# Altium PCB CL-AHU-V1.1.pcbdoc (part 5 of 5)
Units mil, origin at the board's own origin, x right, y up, seen from the top; angles counter-clockwise.
Board outline 12846.15 x 9153.85 mil, 2 copper layers (TopLayer, BottomLayer); 143 components, 181 nets, 607 pads, 3157 vias.
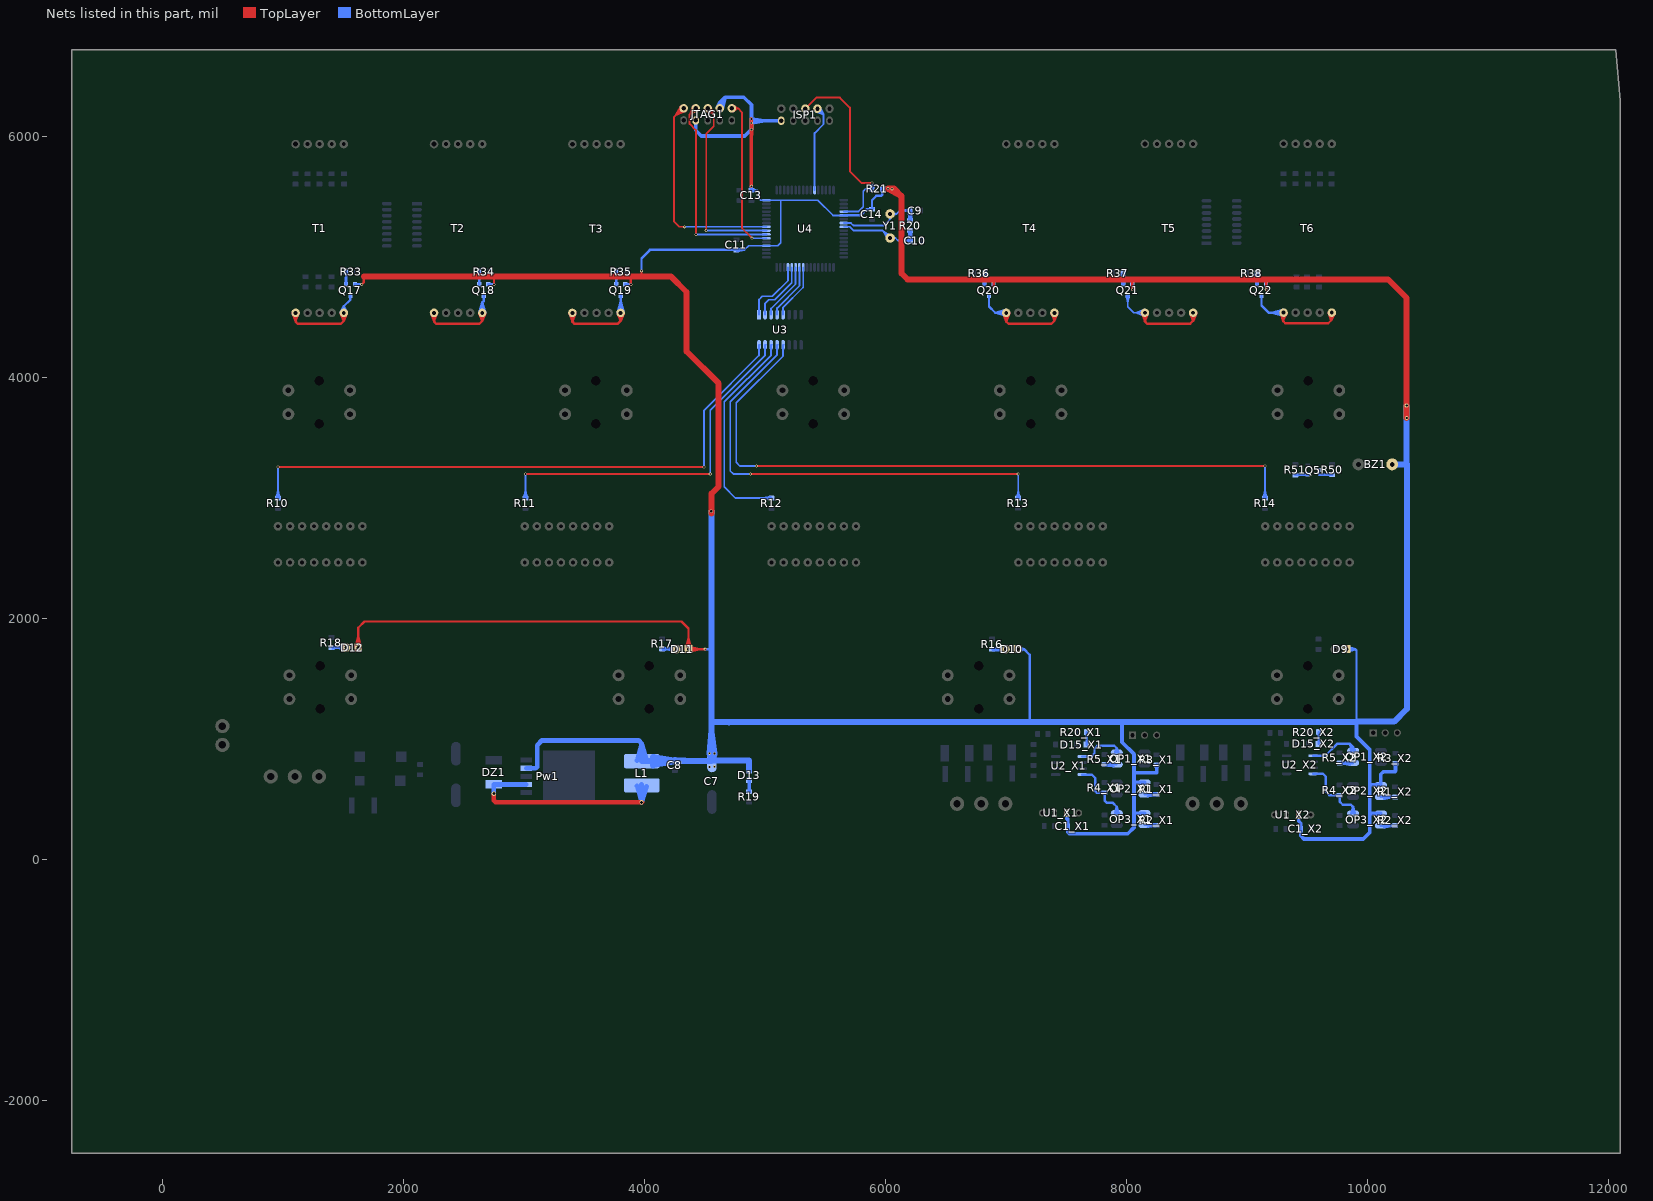
[diagram p5: the nets of this part, all layers, seen from the top]

## Via types
v1: diameter 33/33 (per signal layer), hole 23, TopLayer to BottomLayer, tented both sides, 2996 vias
v2: diameter 25, hole 15, TopLayer to BottomLayer, tented both sides, 138 vias
v3: diameter 24, hole 15, TopLayer to BottomLayer, tented both sides, 16 vias
v4: diameter 35, hole 20, TopLayer to BottomLayer, tented both sides, 3 vias
v5: diameter 30, hole 20, TopLayer to BottomLayer, tented both sides, 2 vias
v6: diameter 35, hole 25, TopLayer to BottomLayer, tented both sides, 2 vias

## Nets (pads, with @x,y where several pads share a name; then routed paths per layer and width w, separated by ;. In a path a pad name is that pad's centre, name@x,y a point inside that pad or via, vN(x,y) a via of type N, cw(c..) or ccw(c..) an arc to the next point about the centre after c; other vN are vias at no path point) (continued)
NetD10_2: D10.2 R16.2 | length 2102
  BottomLayer w15: R16.2@6884.3,1745.95 6995.56,1745.95 D10.2@6995.67,1746.06 6915.23,1745.95 ; R16.2@6887.7,1733.55 6956.51,1730.99 ; R16.2@6887.68,1758.35 6956.53,1761.05 ; R16.2@6889.27,1733.45 6955.01,1739.55 ; R16.2@6889.25,1758.45 6955.03,1752.47 ; R16.2@6891.71,1733.69 6955.03,1752.47 ; R16.2@6891.69,1758.22 6955.01,1739.55 ; R16.2@6893.11,1757.86 6956.51,1730.99 ; R16.2@6893.13,1734.05 6956.53,1761.05 ; D10.2@6990.78,1773.57 6915.23,1745.95 ; D10.2@6990.86,1718.55 6915.23,1745.95 ; D10.2@6994.61,1758.95 6915.23,1745.95 ; D10.2@6994.65,1733.17 6915.23,1745.95 ; R16.2@6889.3,1745.95 6915.23,1745.95 ; R16.2@6889.3,1745.95 6954.3,1746.01 ; R16.2@6889.3,1745.95 6915.23,1745.95 ; R16.2@6889.3,1745.95 6955.03,1752.47 ; R16.2@6889.3,1745.95 6915.23,1745.95 ; R16.2@6889.3,1745.95 6955.01,1739.55 ; R16.2@6889.3,1745.95 6915.23,1745.95 ; R16.2@6889.3,1745.95 6956.53,1761.05 ; R16.2@6889.3,1745.95 6915.23,1745.95 ; R16.2@6889.3,1745.95 6956.51,1730.99 ; R16.2@6889.3,1745.95 6954.3,1745.95 ; R16.2@6892.31,1733.82 6915.23,1745.95 ; R16.2@6892.31,1733.82 6915.23,1745.95 ; R16.2@6892.31,1733.82 6915.23,1745.95 ; R16.2@6892.31,1733.82 6915.23,1745.95 ; R16.2@6892.31,1733.82 6915.23,1745.95 ; R16.2@6892.31,1758.08 6915.23,1745.95 ; R16.2@6892.31,1758.08 6915.23,1745.95 ; R16.2@6892.31,1758.08 6915.23,1745.95 ; R16.2@6892.31,1758.08 6915.23,1745.95 ; R16.2@6892.31,1758.08 6915.23,1745.95 ; 6954.3,1745.95 6890.5,1733.51 6954.3,1746.01 ; 6954.3,1745.95 6890.5,1758.39 6954.3,1746.01
NetD11_2: D11.2 R17.2 | length 715.6
  BottomLayer w15: R17.2@4147.3,1746.86 4264.55,1746.86 D11.2@4265.35,1746.06 4184.92,1746.86 ; R17.2@4152.3,1746.86 4217.3,1746.86 ; R17.2@4153.5,1734.42 4217.3,1746.86 ; R17.2@4153.5,1759.31 4217.3,1746.86 ; D11.2@4260.23,1718.6 4184.92,1746.86 ; D11.2@4260.78,1773.62 4184.92,1746.86 ; D11.2@4264.19,1733.18 4184.92,1746.86 ; D11.2@4264.44,1758.96 4184.92,1746.86
NetD12_2: D12.2 R18.2 | length 637.3
  BottomLayer w15: R18.2@1406.23,1759.64 D12.2@1526.56,1759.64 ; R18.2@1409.38,1757.79 1474.42,1759.64 ; R18.2@1410.22,1770.26 1474.42,1759.64 ; R18.2@1410.93,1745.38 1474.42,1759.64 ; D12.2@1521.7,1732.13 1446.12,1759.64 ; D12.2@1521.7,1787.15 1446.12,1759.64 ; D12.2@1525.52,1746.75 1446.12,1759.64 ; D12.2@1525.52,1772.53 1446.12,1759.64
NetD13_2: D13.2 R19.2 | length 195.3
  BottomLayer w30: D13.2@4868.26,661.12 R19.2@4868.92,563.47 D13.2@4868.92,661.12
NetD15_X1_2: D15_X1.2 R20_X1.2 | length 102.6
  BottomLayer w20: D15_X1.2@7667.37,954.89 R20_X1.2@7667.37,1057.46
NetD15_X2_2: D15_X2.2 R20_X2.2 | length 96.9
  BottomLayer w20: D15_X2.2@9592.49,960.75 R20_X2.2@9592.49,1057.61
NetDZ1_K: DZ1.K L1.1 Pw1.2 | length 2723.8
  TopLayer w40: v6(2750.38,547.13) 2750.38,491.22 2766,475.6 v6@3980.66,475.6 ; 3839.35,475.6 v6(3976.85,475.6)
  BottomLayer w40: v6(2750.38,547.13) DZ1.K@2750.37,624.64 ; v6(2750.38,547.13) DZ1.K@2750.37,624.64 ; DZ1.K@2782.3,624.64 2937.3,624.64 ; 2850.38,624.64 Pw1.2@2991.44,624.25 ; Pw1.2@3019.2,624.64 DZ1.K@2750.37,624.64 ; L1.1@3939.4,610.33 v6(3976.85,475.6) ; L1.1@3976.85,623 v6(3976.85,475.6) ; L1.1@3978.12,615.43 v6(3976.85,475.6) ; L1.1@3999.09,581.7 L1.1@4003.88,586.49 ; L1.1@4016.74,609.63 v6(3976.85,475.6)
NetOP1_X1_1: OP1_X1.1 R5_X1.1 | length 1137.1
  BottomLayer w15: R5_X1.1@7817.55,788.61 OP1_X1.1@7917.93,788.61 ; R5_X1.1@7822.55,788.61 OP1_X1.1@7887.55,788.61 ; OP1_X1.1@7887.71,771.9 R5_X1.1@7823.75,801.05 ; OP1_X1.1@7887.71,805.31 R5_X1.1@7823.75,776.16 ; OP1_X1.1@7893.86,771.13 R5_X1.1@7823.75,776.16 ; OP1_X1.1@7893.86,806.08 R5_X1.1@7823.75,801.05 ; R5_X1.1@7822.93,788.61 OP1_X1.1@7892.93,788.61 ; R5_X1.1@7822.93,788.61 7890.74,805.97 R5_X1.1@7822.93,788.61 ; R5_X1.1@7822.93,788.61 7890.74,771.24 R5_X1.1@7822.93,788.61 ; R5_X1.1@7822.93,788.61 OP1_X1.1@7892.93,788.61 ; R5_X1.1@7823.75,776.16 OP1_X1.1@7892.93,788.61 ; R5_X1.1@7823.75,776.16 OP1_X1.1@7887.55,788.61 ; R5_X1.1@7823.75,801.05 OP1_X1.1@7892.93,788.61 ; R5_X1.1@7823.75,801.05 OP1_X1.1@7887.55,788.61
NetOP1_X1_2: OP1_X1.2 U2_X1.1 | length 515.2
  BottomLayer w20: U2_X1.1@7630.52,855.8 7707.9,855.8 ; U2_X1.1@7658.52,855.8 7707.9,855.8 ; OP1_X1.2@7903.26,891.71 7917.93,924.85 ; OP1_X1.2@7917.93,888.61 7917.93,924.85 ; OP1_X1.2@7932.61,891.71 7917.93,924.85 ; 7707.9,855.8 7733.2,881.1 7733.2,922.52 7755.86,945.18 7897.6,945.18 7917.93,924.85
NetOP1_X2_1: OP1_X2.1 R5_X2.1 | length 689.6
  BottomLayer w20: R5_X2.1@9766.91,801.12 OP1_X2.1@9877,801.12 ; OP1_X2.1@9851.76,817.42 R5_X2.1@9771.91,801.12 ; OP1_X2.1@9851.83,817.43 R5_X2.1@9768.39,801.12 ; OP1_X2.1@9851.91,801.12 R5_X2.1@9771.91,801.12 ; OP1_X2.1@9852.27,787.55 R5_X2.1@9771.91,801.12 ; OP1_X2.1@9852.31,787.55 R5_X2.1@9768.39,801.12 ; R5_X2.1@9768.39,801.12 9853.39,802.51 R5_X2.1@9771.91,801.12
NetOP1_X2_2: OP1_X2.2 U2_X2.1 | length 834.8
  BottomLayer w20: U2_X2.1@9546.52,862.18 9646.76,862.18 9744.61,960.02 9852.66,960.02 ; U2_X2.1@9574.52,862.18 9646.52,862.18 ; OP1_X2.2@9864.07,898.06 9852.66,960.02 ; OP1_X2.2@9891.26,910.22 9852.66,960.02 ; 9852.66,960.02 OP1_X2.2@9878.39,902.51 ; 9852.66,960.02 9878.39,934.29 ; OP1_X2.2@9878.39,902.51 9878.39,934.29 ; OP1_X2.2@9878.39,902.51 9878.39,934.29 ; 9878.39,934.29 9892.97,906.05 9878.39,934.29 ; 9878.39,934.29 9863.82,906.05 9878.39,934.29
NetOP2_X1_2: OP2_X1.2 R1_X1.1 | length 1137.1
  BottomLayer w15: OP2_X1.2@8147.93,539.81 R1_X1.1@8248.31,539.81 ; OP2_X1.2@8172,522.33 R1_X1.1@8242.11,527.37 ; OP2_X1.2@8172,557.28 R1_X1.1@8242.11,552.25 ; OP2_X1.2@8178.15,523.1 R1_X1.1@8242.11,552.25 ; OP2_X1.2@8178.15,556.51 R1_X1.1@8242.11,527.37 ; R1_X1.1@8243.31,539.81 OP2_X1.2@8178.31,539.81 ; OP2_X1.2@8172.93,539.81 R1_X1.1@8242.93,539.81 ; OP2_X1.2@8172.93,539.81 R1_X1.1@8242.11,552.25 ; OP2_X1.2@8172.93,539.81 R1_X1.1@8242.11,527.37 ; OP2_X1.2@8172.93,539.81 R1_X1.1@8242.93,539.81 ; OP2_X1.2@8178.31,539.81 R1_X1.1@8242.11,552.25 ; OP2_X1.2@8178.31,539.81 R1_X1.1@8242.11,527.37 ; R1_X1.1@8242.93,539.81 8175.12,522.44 R1_X1.1@8242.93,539.81 ; R1_X1.1@8242.93,539.81 8175.12,557.17 R1_X1.1@8242.93,539.81
NetOP2_X2_2: OP2_X2.2 R1_X2.1 | length 694
  BottomLayer w20: OP2_X2.2@10108.39,519.91 R1_X2.1@10226.55,519.91 ; OP2_X2.2@10133.39,519.91 R1_X2.1@10218.39,519.91 ; OP2_X2.2@10134.72,504.97 R1_X2.1@10218.39,519.91 ; OP2_X2.2@10134.72,534.85 R1_X2.1@10218.39,519.91 ; OP2_X2.2@10142.55,506.36 R1_X2.1@10221.91,519.54 ; OP2_X2.2@10142.68,533.43 R1_X2.1@10221.91,519.54 ; R1_X2.1@10221.91,519.54 10141.9,519.91 R1_X2.1@10221.91,519.54
NetOP3_X1_2: OP3_X1.2 R2_X1.1 | length 1137.1
  BottomLayer w15: OP3_X1.2@8147.93,285.9 R2_X1.1@8248.31,285.9 ; OP3_X1.2@8172,268.42 R2_X1.1@8242.11,273.45 ; OP3_X1.2@8172,303.37 R2_X1.1@8242.11,298.34 ; OP3_X1.2@8178.15,269.19 R2_X1.1@8242.11,298.34 ; OP3_X1.2@8178.15,302.6 R2_X1.1@8242.11,273.45 ; R2_X1.1@8243.31,285.9 OP3_X1.2@8178.31,285.9 ; OP3_X1.2@8172.93,285.9 R2_X1.1@8242.11,273.45 ; OP3_X1.2@8172.93,285.9 R2_X1.1@8242.93,285.9 ; OP3_X1.2@8172.93,285.9 R2_X1.1@8242.11,298.34 ; OP3_X1.2@8172.93,285.9 R2_X1.1@8242.93,285.9 ; OP3_X1.2@8178.31,285.9 R2_X1.1@8242.11,298.34 ; OP3_X1.2@8178.31,285.9 R2_X1.1@8242.11,273.45 ; R2_X1.1@8242.93,285.9 8175.12,268.53 R2_X1.1@8242.93,285.9 ; R2_X1.1@8242.93,285.9 8175.12,303.26 R2_X1.1@8242.93,285.9
NetOP3_X1_4: OP3_X1.4 R4_X1.2 U2_X1.4 | length 832.5
  BottomLayer w20: U2_X1.4@7630.52,705.8 7709.84,705.8 ; U2_X1.4@7658.52,705.8 7709.84,705.8 ; R4_X1.2@7812.55,554.81 7753.4,554.81 ; OP3_X1.4@7903.08,388 7917.93,439.46 ; OP3_X1.4@7917.93,385.9 7917.93,439.46 ; OP3_X1.4@7932.78,388 7917.93,439.46 ; 7709.84,705.8 7739.68,675.95 7739.68,568.52 7753.4,554.81 ; 7753.4,554.81 R4_X1.2@7817.55,554.81 ; 7817.55,491.3 R4_X1.2@7817.55,554.81 ; 7817.55,491.3 7838.05,470.81 7886.58,470.81 7917.93,439.46 ; 7817.55,491.3 R4_X1.2@7817.55,554.81
NetOP3_X2_2: OP3_X2.2 R2_X2.1 | length 695.1
  BottomLayer w20: OP3_X2.2@10108.39,282.59 R2_X2.1@10227.57,282.58 ; OP3_X2.2@10133.39,282.59 R2_X2.1@10218.39,282.59 ; OP3_X2.2@10134.72,267.65 R2_X2.1@10218.39,282.59 ; OP3_X2.2@10134.72,297.53 R2_X2.1@10218.39,282.59 ; OP3_X2.2@10143.26,269.17 R2_X2.1@10222.57,282.58 ; OP3_X2.2@10143.26,296 R2_X2.1@10222.57,282.58 ; R2_X2.1@10222.57,282.58 10142.57,282.59 R2_X2.1@10222.57,282.58
NetOP3_X2_4: OP3_X2.4 R4_X2.2 U2_X2.4 | length 900.4
  BottomLayer w20: U2_X2.4@9546.52,712.18 9628.64,712.18 ; U2_X2.4@9574.52,712.18 9628.64,712.18 ; R4_X2.2@9761.55,534.22 9681.84,534.22 ; OP3_X2.4@9863.53,384.64 9878.39,437.33 ; OP3_X2.4@9878.39,382.59 9878.39,437.33 ; OP3_X2.4@9893.25,384.64 9878.39,437.33 ; 9628.64,712.18 9652.62,688.2 9652.62,563.44 9681.84,534.22 ; 9681.84,534.22 R4_X2.2@9766.55,534.22 ; 9766.55,481.57 R4_X2.2@9766.55,534.22 ; 9766.55,481.57 9792.69,455.43 9860.29,455.43 9878.39,437.33 ; 9766.55,481.57 R4_X2.2@9766.55,534.22
NetQ5_1: Q5.1 R50.1 | length 224.9
  BottomLayer w20: Q5.1@9595.55,3231.7 9595.55,3197.2 9599.05,3193.7 R50.1@9704.55,3193.7 ; 9619.55,3193.7 R50.1@9699.55,3193.7
NetQ5_2: Q5.2 R51.2 | length 360.5
  BottomLayer w20: R51.2@9398.55,3191.7 Q5.2@9500.43,3191.7 ; 9483.55,3191.7 R51.2@9403.55,3191.7 ; 9483.56,3193.68 R51.2@9403.55,3191.7 ; Q5.2@9502.05,3194.3 9424.19,3191.7 R51.2@9403.55,3191.7
NetQ17_1: Q17.1 T1.1 T1.5 | length 1141.6
  TopLayer w20: T1.1@1081.26,4530.98 1106.3,4462.82 ; T1.1@1106.3,4535.43 1106.3,4462.82 ; T1.1@1131.34,4530.98 1106.3,4462.82 ; T1.5@1481.34,4530.53 1506.3,4469.51 ; T1.5@1506.3,4535.43 1506.3,4469.51 ; T1.5@1531.25,4530.53 1506.3,4469.51 ; 1106.3,4462.82 1124.77,4444.35 1481.14,4444.35 1506.3,4469.51
  BottomLayer w20: T1.5@1481.57,4541.37 1506.3,4589.88 ; T1.5@1506.3,4535.43 1506.3,4589.88 ; T1.5@1531.03,4541.37 1506.3,4589.88 ; Q17.1@1561.13,4677.73 1561.13,4644.72 ; Q17.1@1561.13,4678.72 1561.13,4644.72 ; 1506.3,4589.88 1561.13,4644.72
NetQ17_2: Q17.2 R33.1 | length 367.8
  BottomLayer w20: Q17.2@1523.73,4772.22 1525.06,4849.97 R33.1@1525.06,4873.13 ; 1524.09,4793.12 R33.1@1525.06,4873.13 ; Q17.2@1525.06,4771.24 R33.1@1525.06,4878.13 ; 1525.06,4793.13 R33.1@1525.06,4873.13
NetQ18_1: Q18.1 T2.1 T2.5 | length 1258.8
  TopLayer w20: T2.1@2229.68,4530.98 2254.72,4462.82 ; T2.1@2254.72,4535.43 2254.72,4462.82 ; T2.1@2279.76,4530.98 2254.72,4462.82 ; T2.5@2629.77,4530.53 2654.72,4469.51 ; T2.5@2654.72,4535.43 2654.72,4469.51 ; T2.5@2679.68,4530.53 2654.72,4469.51 ; 2254.72,4462.82 2273.2,4444.35 2629.57,4444.35 2654.72,4469.51
  BottomLayer w20: T2.5@2629.57,4539.16 2654.72,4622.21 ; T2.5@2654.72,4535.43 2654.72,4622.21 ; Q18.1@2667.9,4677.73 2667.9,4635.38 ; Q18.1@2667.9,4679.7 2667.9,4709.47 2667.9,4635.38 ; T2.5@2679.88,4539.16 2654.72,4622.21 ; 2654.72,4622.21 2667.9,4635.38
NetQ18_2: Q18.2 R34.1 | length 367.8
  BottomLayer w20: Q18.2@2629.94,4771.24 R34.1@2629.94,4878.14 ; 2629.94,4793.14 R34.1@2629.94,4873.14 ; 2630.35,4793.14 R34.1@2629.94,4873.14 ; Q18.2@2630.5,4772.22 2629.94,4849.95 R34.1@2629.94,4873.14
NetQ19_1: Q19.1 T3.1 T3.5 | length 1256.6
  TopLayer w20: T3.1@3377.72,4530.66 3402.76,4462.51 ; T3.1@3402.76,4535.12 3402.76,4462.51 ; T3.1@3427.8,4530.66 3402.76,4462.51 ; T3.5@3777.8,4530.21 3802.76,4469.2 ; T3.5@3802.76,4535.12 3802.76,4469.2 ; T3.5@3827.71,4530.21 3802.76,4469.2 ; 3402.76,4462.51 3421.23,4444.04 3777.6,4444.04 3802.76,4469.2
  BottomLayer w20: T3.5@3777.55,4538.51 3802.76,4630.55 T3.5@3827.96,4538.51 ; T3.5@3802.76,4535.12 Q19.1@3802.76,4689.39 ; 3802.76,4599.99 Q19.1@3804.32,4677.73
NetQ19_2: Q19.2 R35.1 | length 355.4
  BottomLayer w20: Q19.2@3766.92,4772.22 3766.92,4849.94 R35.1@3767.05,4873.13 ; Q19.2@3766.92,4783.48 R35.1@3766.92,4878 ; R35.1@3767.05,4873.13 3766.92,4793.13 R35.1@3767.05,4873.13
NetQ20_1: Q20.1 T4.1 T4.5 | length 1341.1
  TopLayer w20: T4.1@6976.22,4531.45 7001.26,4463.3 ; T4.1@7001.26,4535.91 7001.26,4463.3 ; T4.1@7026.3,4531.45 7001.26,4463.3 ; T4.5@7376.3,4531 7401.26,4469.98 ; T4.5@7401.26,4535.91 7401.26,4469.98 ; T4.5@7426.22,4531 7401.26,4469.98 ; 7001.26,4463.3 7019.73,4444.83 7376.1,4444.83 7401.26,4469.98
  BottomLayer w20: 6857.9,4600.02 Q20.1@6857.9,4677.73 ; Q20.1@6857.9,4671.7 6857.9,4588.56 6910.55,4535.91 ; T4.1@6997.69,4510.72 6910.55,4535.91 ; T4.1@6997.69,4561.09 6910.55,4535.91 ; T4.1@7001.26,4535.91 6910.55,4535.91
NetQ20_2: Q20.2 R36.1 | length 1301.6
  BottomLayer w15: R36.1@6808.23,4859.52 6813.81,4793.88 ; R36.1@6808.46,4856.97 6827.32,4793.92 ; Q20.2@6810.32,4773.09 6820.72,4834.94 ; Q20.2@6820.49,4772.22 6820.72,4834.94 ; Q20.2@6820.72,4756.16 R36.1@6820.72,4864.4 ; Q20.2@6830.68,4773.02 6820.72,4834.94 ; R36.1@6832.98,4856.91 6813.81,4793.88 ; R36.1@6833.16,4858.17 6820.58,4794.4 ; R36.1@6833.17,4858.2 6820.72,4794.4 ; R36.1@6833.22,4859.46 6827.32,4793.92 ; R36.1@6808.64,4856.2 6820.72,4834.94 ; R36.1@6808.64,4856.2 6820.72,4834.94 ; R36.1@6808.64,4856.2 6820.72,4834.94 ; 6813.81,4793.88 R36.1@6820.72,4859.4 ; 6820.58,4794.4 R36.1@6820.72,4859.4 ; 6820.58,4794.4 6808.28,4858.22 6820.72,4794.4 ; 6820.72,4794.4 R36.1@6820.72,4859.4 ; 6820.72,4834.94 R36.1@6820.72,4859.4 ; 6820.72,4834.94 R36.1@6832.81,4856.2 ; 6820.72,4834.94 R36.1@6820.72,4859.4 ; 6820.72,4834.94 R36.1@6832.81,4856.2 ; 6820.72,4834.94 R36.1@6820.72,4859.4 ; 6820.72,4834.94 R36.1@6832.81,4856.2 ; R36.1@6820.72,4859.4 6827.32,4793.92
NetQ21_1: Q21.1 T5.1 T5.5 | length 1599.2
  TopLayer w20: T5.1@8126.53,4532.16 8151.57,4464 ; T5.1@8151.57,4536.61 8151.57,4464 ; T5.1@8176.61,4532.16 8151.57,4464 ; T5.5@8526.62,4531.71 8551.57,4470.69 ; T5.5@8551.57,4536.61 8551.57,4470.69 ; T5.5@8576.53,4531.71 8551.57,4470.69 ; 8151.57,4464 8170.05,4445.53 8526.42,4445.53 8551.57,4470.69
  BottomLayer w15: Q21.1@7998.6,4676.9 8008.78,4615.02 ; Q21.1@8008.78,4677.73 8008.78,4615.02 ; Q21.1@8008.78,4678.72 8008.78,4586.53 8058.7,4536.61 T5.1@8151.57,4536.61 ; Q21.1@8018.97,4676.9 8008.78,4615.02 ; T5.1@8146.72,4509.11 8071.14,4536.61 ; T5.1@8146.72,4564.12 8071.14,4536.61 ; T5.1@8150.54,4523.72 8071.14,4536.61 ; T5.1@8150.54,4549.51 8071.14,4536.61
NetQ21_2: Q21.2 R37.1 | length 1293.8
  BottomLayer w15: R37.1@7957.74,4859.3 7964.51,4793.19 ; R37.1@7958.03,4856.73 7978.07,4794.32 ; Q21.2@7961.2,4773.06 7971.38,4834.94 ; Q21.2@7971.38,4771.24 R37.1@7971.38,4870.4 ; Q21.2@7971.38,4772.22 7971.38,4834.94 ; Q21.2@7981.56,4773.06 7971.38,4834.94 ; R37.1@7982.54,4857.15 7964.51,4793.19 ; R37.1@7982.74,4859.7 7978.07,4794.32 ; R37.1@7958.32,4855.65 7971.38,4834.94 ; R37.1@7958.32,4855.65 7971.38,4834.94 ; R37.1@7958.32,4855.65 7971.38,4834.94 ; 7964.51,4793.19 R37.1@7970.24,4859.4 ; R37.1@7970.24,4859.4 7971.38,4794.38 ; R37.1@7970.24,4859.4 7971.38,4834.94 ; R37.1@7970.24,4859.4 7971.38,4834.94 ; R37.1@7970.24,4859.4 7978.07,4794.32 ; R37.1@7970.24,4859.4 7971.38,4834.94 ; R37.1@7970.24,4859.4 7971.38,4794.39 ; 7971.38,4794.38 7957.82,4857.98 7971.38,4794.39 ; 7971.38,4794.38 7982.71,4858.41 7971.38,4794.39 ; 7971.38,4834.94 R37.1@7982.47,4856.77 ; 7971.38,4834.94 R37.1@7982.47,4856.77 ; 7971.38,4834.94 R37.1@7982.47,4856.77
NetQ22_1: Q22.1 T6.1 T6.5 | length 1513.1
  TopLayer w20: T6.1@9276.25,4534.37 9297.25,4467.9 ; T6.1@9297.25,4540.51 9297.25,4467.9 ; T6.1@9301.5,4537.48 9297.25,4467.9 ; T6.1@9326.17,4531.33 9297.25,4467.9 ; T6.5@9676.3,4534.04 9697.25,4474.59 ; T6.5@9697.25,4540.51 9697.25,4474.59 ; T6.5@9701.5,4537.48 9697.25,4474.59 ; T6.5@9726,4530.68 9697.25,4474.59 ; 9297.25,4467.9 9315.72,4449.43 9672.09,4449.43 9697.25,4474.59
  BottomLayer w20: 9118.15,4600.02 Q22.1@9118.15,4677.73 ; Q22.1@9118.15,4678.72 9118.15,4597.1 9177.77,4537.48 T6.1@9301.5,4537.48 ; T6.1@9298.11,4512.27 9206.06,4537.48 T6.1@9298.11,4562.69
NetQ22_2: Q22.2 R38.1 | length 1285.9
  BottomLayer w15: R38.1@9068.84,4859.57 9074.18,4793.85 ; R38.1@9068.9,4858.2 9081.34,4794.4 ; R38.1@9068.89,4858.27 9080.96,4794.4 ; R38.1@9069.07,4857.01 9087.69,4793.95 ; Q22.2@9070.57,4773.15 9081.34,4834.95 ; Q22.2@9080.75,4772.22 9081.34,4834.95 ; Q22.2@9081.34,4771.83 R38.1@9081.34,4864.4 ; Q22.2@9090.94,4772.96 9081.34,4834.95 ; R38.1@9093.58,4856.87 9074.18,4793.85 ; R38.1@9093.78,4858.12 9080.96,4794.4 ; R38.1@9093.78,4858.2 9081.34,4794.4 ; R38.1@9093.84,4859.42 9087.69,4793.95 ; R38.1@9069.26,4856.2 9081.34,4834.95 ; R38.1@9069.26,4856.2 9081.34,4834.95 ; R38.1@9069.26,4856.2 9081.34,4834.95 ; 9074.18,4793.85 R38.1@9081.34,4859.4 ; 9080.96,4794.4 R38.1@9081.34,4859.4 ; 9081.34,4794.4 R38.1@9081.34,4859.4 ; 9081.34,4834.95 R38.1@9081.34,4859.4 ; 9081.34,4834.95 R38.1@9093.43,4856.2 ; 9081.34,4834.95 R38.1@9081.34,4859.4 ; 9081.34,4834.95 R38.1@9093.43,4856.2 ; 9081.34,4834.95 R38.1@9081.34,4859.4 ; 9081.34,4834.95 R38.1@9093.43,4856.2 ; R38.1@9081.34,4859.4 9087.69,4793.95
NetR10_1: R10.1 U3.16 | length 5301.6
  TopLayer w15: v2(960.01,3256.86) v2(4493.67,3256.86)
  BottomLayer w15: R10.1@947.56,3000.09 960,3063.89 R10.1@972.44,3000.09 ; R10.1@960,2998.89 960,3256.85 960,3199.36 ; v2(4493.67,3256.86) 4495.33,3314.45 ; v2@4495.33,3254.98 4495.33,3727.74 4950.55,4182.96 U3.16@4950.55,4270.7 ; 4950.55,4185.7 U3.16@4950.55,4245.7 ; U3.16@4958.78,4270.7 U3.16@4958.78,4271.27
NetR11_1: R11.1 U3.15 | length 3318.6
  TopLayer w15: v2(3013.17,3199.88) v2(4546.07,3199.88)
  BottomLayer w15: R11.1@3000.72,3000.09 3013.17,3063.89 R11.1@3025.61,3000.09 ; R11.1@3001.25,3002.67 3013.17,3019.59 ; 3013.17,3142.38 v2(3013.17,3199.88) ; v2(3013.17,3199.88) 3013.17,3019.59 ; R11.1@3025.08,3002.67 3013.17,3019.59 ; v2(4546.07,3199.88) 4546.07,3257.38 ; v2@4546.07,3200.51 4546.07,3728.47 5000.55,4182.96 U3.15@5000.55,4270.7 ; 5000.55,4185.7 U3.15@5000.55,4245.7 ; U3.15@5008.78,4270.7 U3.15@5008.78,4271.27
NetR12_1: R12.1 U3.14 | length 1965.8
  BottomLayer w15: R12.1@5048.29,2986.45 4984.49,2998.89 ; R12.1@5048.29,3011.33 4984.49,2998.89 ; R12.1@5049.49,2998.89 4984.49,2998.89 ; U3.14@5050.55,4270.7 5050.55,4185.64 4662.44,3797.52 4662.44,3091.69 4755.23,2998.89 R12.1@5054.49,2998.89 ; U3.14@5058.78,4270.7 U3.14@5058.78,4271.27
NetR13_1: R13.1 U3.13 | length 4112.2
  TopLayer w15: v2(4878.53,3199.91) v2(7100.14,3199.92) 7042.64,3199.91
  BottomLayer w15: v2(4878.53,3199.91) 4736.39,3199.91 4712.44,3223.86 4712.44,3799.45 5100.55,4187.56 ; U3.13@5100.55,4245.7 5100.55,4187.56 ; U3.13@5100.55,4270.7 5100.55,4187.56 ; U3.13@5108.78,4270.7 U3.13@5108.78,4271.27 ; R13.1@7087.69,3000.51 7100.13,3064.31 R13.1@7112.57,3000.51 ; R13.1@7100.13,2999.31 v2@7100.13,3202.58 ; 7100.13,3142.42 v2(7100.14,3199.92)
NetR14_1: R14.1 U3.12 | length 6045.9
  TopLayer w15: v2(4928,3264.66) 4985.5,3264.66 ; v2@4931.94,3264.66 v2(9148.51,3264.66) v2@9149.61,3264.66
  BottomLayer w15: v2(4928,3264.66) 4793.08,3264.66 4762.44,3295.3 4762.44,3789.35 5150.55,4177.47 U3.12@5150.55,4270.7 ; 5150.55,4185.7 U3.12@5150.55,4245.7 ; U3.12@5158.77,4270.7 U3.12@5158.77,4271.27 ; R14.1@9136.07,3000.09 9148.51,3063.89 R14.1@9160.96,3000.09 ; R14.1@9148.51,2998.89 v2(9148.51,3264.66)
OSC_N: C10.1 R20.1 U4.24 Y1.2 | length 2094.7
  BottomLayer w15: U4.24@5653.3,5249.34 5704.65,5249.34 5736.32,5217.67 5976.83,5217.67 Y1.2@6038.01,5156.49 6082.36,5156.49 ; Y1.2@6024.36,5145.54 5981.19,5213.31 Y1.2@6048.96,5170.14 ; Y1.2@6041.46,5139.34 6082.36,5156.49 ; Y1.2@6041.46,5173.65 6082.36,5156.49 ; R20.1@6192.06,5216.21 C10.1@6205.83,5152.64 ; C10.1@6193.37,5139.35 R20.1@6194.44,5205.21 ; C10.1@6193.37,5141.32 R20.1@6204.73,5205.33 ; C10.1@6193.39,5141.53 R20.1@6205.83,5205.33 ; C10.1@6193.68,5143.24 R20.1@6214.95,5205.27 ; C10.1@6196.06,5135.94 6102.91,5135.94 6082.36,5156.49 ; R20.1@6204.47,5217.67 C10.1@6205.83,5152.64 ; C10.1@6204.51,5122.9 6140.82,5135.94 ; C10.1@6204.75,5147.78 6140.82,5135.94 ; R20.1@6205.83,5216.31 C10.1@6205.83,5135.33 6140.82,5135.94 ; R20.1@6216.94,5216.73 C10.1@6205.83,5152.64 ; C10.1@6217.88,5143.65 R20.1@6194.44,5205.21 ; C10.1@6218.28,5141.53 R20.1@6205.83,5205.33 ; C10.1@6218.25,5141.74 R20.1@6204.73,5205.33 ; C10.1@6218.32,5139.78 R20.1@6214.95,5205.27 ; R20.1@6194.44,5205.21 C10.1@6205.83,5140.33 ; R20.1@6204.73,5205.33 C10.1@6205.83,5140.33 ; C10.1@6205.83,5140.33 R20.1@6214.95,5205.27 ; C10.1@6205.83,5140.33 R20.1@6205.83,5205.33
OSC_P: C9.1 R20.2 U4.23 Y1.1 | length 1814.8
  BottomLayer w15: U4.23@5653.3,5280.84 5712.22,5280.84 5732.12,5260.94 5984.52,5260.94 6038.01,5314.43 ; Y1.1@6020.89,5352.85 6038.01,5314.43 ; Y1.1@6040.87,5339.23 6091.49,5356.49 ; Y1.1@6040.87,5373.76 6091.49,5356.49 ; Y1.1@6055.12,5352.85 6038.01,5314.43 ; C9.1@6191.56,5379.28 R20.2@6193.93,5313.63 ; C9.1@6191.61,5377.25 R20.2@6204.47,5313.54 ; C9.1@6191.97,5375.29 R20.2@6214.97,5313.86 ; R20.2@6192.03,5303.87 6204.47,5367.67 R20.2@6216.91,5303.87 ; C9.1@6199.06,5383.54 6118.54,5383.54 6091.49,5356.49 ; C9.1@6202.84,5371.09 6139.04,5383.54 ; C9.1@6202.84,5395.98 6139.04,5383.54 ; C9.1@6204.04,5383.54 6139.04,5383.54 ; R20.2@6204.47,5302.67 C9.1@6204.47,5383.1 ; C9.1@6216.15,5375.45 R20.2@6193.93,5313.63 ; C9.1@6216.49,5377.42 R20.2@6204.47,5313.54 ; C9.1@6216.51,5379.44 R20.2@6214.97,5313.86 ; 6038.01,5314.43 Y1.1@6038.01,5356.49 6091.49,5356.49 ; R20.2@6193.93,5313.63 C9.1@6204.04,5378.54 ; C9.1@6204.04,5378.54 R20.2@6214.97,5313.86 ; C9.1@6204.04,5378.54 R20.2@6204.47,5313.54
P_12VLED1: U3.1 U4.45 | length 600.2
  BottomLayer w15: U3.1@4950.55,4520.7 4950.55,4645.74 4978.74,4673.92 5061.78,4673.92 5190.7,4802.84 U4.45@5190.7,4912.73 ; U3.1@4950.55,4545.7 4950.55,4605.7
P_12VLED2: U3.2 U4.44 | length 573.1
  BottomLayer w15: U3.2@5000.55,4520.7 5000.55,4614.01 5030.47,4643.92 5074.21,4643.92 5075.37,4645.07 5081.5,4645.07 5222.2,4785.77 U4.44@5222.2,4912.73 ; U3.2@5000.55,4545.7 5000.55,4605.7
P_12VLED3: U3.3 U4.43 | length 502.2
  BottomLayer w15: U3.3@5050.55,4520.7 5050.55,4571.7 ; U3.3@5050.55,4545.7 5050.55,4571.7 ; U4.43@5253.69,4912.73 5253.69,4774.84 5050.55,4571.7
P_12VLED4: U3.4 U4.42 | length 466.4
  BottomLayer w15: U3.4@5100.55,4520.7 5100.55,4575.18 5283.69,4758.32 ; 5285.19,4759.82 U4.42@5285.19,4912.73
P_12VLED5: U3.5 U4.41 | length 458.7
  BottomLayer w15: U3.5@5150.55,4520.7 5150.55,4581.31 5315.19,4745.95 ; 5316.69,4747.45 U4.41@5316.69,4912.73
RESET: ISP1.5 R21.1 U4.20 | length 2092.8
  TopLayer w15: ISP1.5@5335.23,6229.45 5426.75,6320.98 5621.61,6320.98 5704.47,6238.11 5704.47,5711.03 5803.35,5612.16 v2(5888.94,5612.16)
  BottomLayer w15: U4.20@5653.3,5375.33 5773.29,5375.33 5815.27,5417.31 5815.27,5544.11 5835.71,5564.54 ; R21.1@5887.46,5552.13 5835.71,5564.54 ; R21.1@5887.46,5576.96 5835.71,5564.54 ; 5835.71,5564.54 R21.1@5888.93,5564.54 ; 5835.71,5564.54 R21.1@5888.93,5564.54 ; R21.1@5888.93,5564.54 v2(5888.94,5612.16) ; R21.1@5888.93,5564.54 v2(5888.94,5612.16) ; v2(5888.94,5612.16) 5888.93,5569.54 v2(5888.94,5612.16) ; v2(5888.94,5612.16) 5901.29,5571.38 v2(5888.94,5612.16) ; v2(5888.94,5612.16) 5876.56,5571.38 v2(5888.94,5612.16)
SCK: ISP1.7 U4.11 | length 1009.2
  BottomLayer w15: U4.11@5411.17,5554.46 5411.17,6026.75 5485.23,6100.81 5485.23,6179.45 ; ISP1.7@5419.76,6206.19 5485.23,6179.45 ; ISP1.7@5426.96,6219.51 5485.23,6179.45 ; ISP1.7@5435.23,6229.45 5485.23,6179.45 ; ISP1.7@5445.17,6237.72 5485.23,6179.45 ; ISP1.7@5458.49,6244.91 5485.23,6179.45
TCK: JTAG1.1 U4.57 | length 2269
  TopLayer w15: JTAG1.1@4303.8,6249.89 4255.34,6170.93 ; JTAG1.1@4315.97,6240.98 4255.34,6170.93 ; JTAG1.1@4332.93,6221.54 4255.34,6170.93 ; JTAG1.1@4340.12,6208.28 4255.34,6170.93 ; 4255.34,6170.93 JTAG1.1@4325.13,6231.85 4316.26,6231.85 4246.53,6162.12 4246.53,5291.81 4288.99,5249.35 ; 4288.99,5249.35 v2(4334.39,5249.35) 4288.99,5249.35
  BottomLayer w15: v2@4334.38,5249.34 U4.57@5011.57,5249.34
TDI: JTAG1.9 U4.54 | length 1565.3
  TopLayer w15: JTAG1.9@4725.13,6231.85 4776.92,6231.85 ; JTAG1.9@4726.74,6219.02 4776.92,6231.85 ; JTAG1.9@4726.74,6244.68 4776.92,6231.85 ; JTAG1.9@4732.66,6204.95 4776.92,6231.85 ; JTAG1.9@4732.66,6258.75 4776.92,6231.85 ; 4848.57,5199.18 v2(4892.89,5154.86) 4808.54,5239.22 4808.54,6200.23 4776.92,6231.85
  BottomLayer w15: v2(4892.89,5154.86) U4.54@5011.57,5154.86
TDO: JTAG1.3 U4.55 | length 2025.9
  TopLayer w15: JTAG1.3@4401.87,6247.31 4375.13,6181.85 ; JTAG1.3@4415.19,6240.12 4375.13,6181.85 ; v2(4426.78,5186.35) 4426.78,6051.56 4375.13,6103.21 4375.13,6181.85 ; JTAG1.3@4433.4,6221.91 4375.13,6181.85 ; JTAG1.3@4440.59,6208.59 4375.13,6181.85 ; 4375.13,6181.85 JTAG1.3@4425.13,6231.85 4375.13,6181.85
  BottomLayer w15: v2(4426.78,5186.35) U4.55@5011.57,5186.35
TMS: JTAG1.5 U4.56 | length 1843.1
  TopLayer w15: JTAG1.5@4509.67,6208.59 4575.13,6181.85 ; v2(4512.13,5217.85) 4512.13,6019.88 4575.13,6082.88 4575.13,6181.85 ; JTAG1.5@4516.86,6221.91 4575.13,6181.85 ; JTAG1.5@4525.13,6231.85 4575.13,6181.85 ; JTAG1.5@4535.07,6240.12 4575.13,6181.85 ; JTAG1.5@4548.39,6247.31 4575.13,6181.85
  BottomLayer w15: v2(4512.13,5217.85) U4.56@5011.57,5217.85
VCC: BZ1.1 C1_X1.2 C1_X2.2 C7.1 C8.1 C11.1 C13.1 C14.1 D9.1 D10.1 D11.1 D12.1 D13.1 ISP1.2 JTAG1.4 JTAG1.7 L1.2 OP2_X1.1 OP2_X2.1 OP3_X1.1 OP3_X2.1 Pw1.4 Q17.3 Q18.3 Q19.3 Q20.3 Q21.3 Q22.3 R3_X1.1 R3_X2.1 R21.2 U1_X1.2 U1_X2.2 U4.21 U4.52 U4.64 | length 48486.7
  TopLayer w20: D12.1@1604.22,1762.37 1626.56,1852.14 D12.1@1648.89,1762.37 ; D12.1@1626.56,1759.64 1626.56,1924.15 1678.1,1975.69 4308.51,1975.69 4365.35,1918.85 D11.1@4365.35,1746.06 v2(4504.47,1746.07) 4431.97,1746.06 ; v2(1654.65,4771.25) 1673.15,4789.75 1673.15,4836.81 ; v2(2752.49,4771.25) 2752.49,4835 ; v2(3887.69,4771.25) 3887.69,4833.42 ; D11.1@4343.02,1748.8 4365.35,1838.56 D11.1@4387.69,1748.8 ; D11.1@4368.09,1723.73 4457.85,1746.06 D11.1@4368.09,1768.4 ; v2(6896.96,4727.66) 6896.96,4809.38 ; v2(8047.85,4727.66) 8047.85,4809.38 ; v2(9157.21,4727.66) 9157.21,4809.38 ; 3975.59,4836.82 v2(3975.59,4884.4) 3975.59,4836.82
  TopLayer w30: v2(4887,5586.14) v2@4887,6144.32 ; 4887,5954.76 v2(4887.96,6057.29) ; 4887,6007.5 v2(4886.69,6110.01) ; 4887,6041.83 v2(4887.01,6144.33) ; v2(4886.69,6110.01) v2(4887.01,6144.33) ; v2(4886.69,6110.01) v2(4887.01,6144.33) ; v2(4886.69,6110.01) v2@4887,6144.32 ; v2(4886.69,6110.01) v2@4887,6144.32 ; v2(4886.69,6110.01) v2(4887.96,6057.29) ; v2@4887,6144.32 v2(4887.96,6057.29) ; v2(4887.01,6144.33) v2(4887.96,6057.29)
  TopLayer w50: 1673.15,4836.81 4220.97,4836.81 4349.17,4708.6 4349.17,4217.26 4615.39,3951.04 4615.39,3095.2 4557.57,3037.39 ; 4557.57,3037.39 v5(4555.67,2891.25) 4557.57,2871.88 4557.57,3037.39 ; v2(6021.44,5565.15) v2(6054.47,5564.54) ; v2(6021.44,5565.15) 6070.83,5565.14 ; v2(6021.44,5565.15) v2(6054.47,5564.54) ; v2(6021.44,5565.15) 6070.83,5565.14 ; v2(6021.44,5565.15) v2(6054.47,5564.54) ; v2(6021.44,5565.15) 6132.25,5503.72 ; v2(6021.44,5565.15) 6070.83,5565.14 ; v2(6021.44,5565.15) v2(6054.47,5564.54) ; v2(6054.47,5564.54) v2(6021.44,5565.15) 6070.83,5565.14 ; v2(6054.47,5564.54) 6070.83,5565.14 ; v2(6054.47,5564.54) 6070.83,5565.14 ; v2(6054.47,5564.54) 6132.25,5503.72 ; 6070.83,5565.14 6132.25,5503.72 ; 6132.25,5503.72 6132.25,4864.05 6184.25,4812.04 10169.21,4812.04 10322.3,4658.95 v4(10322.3,3767.45) ; v4(10322.3,3767.45) v5(10322.31,3663.71) v4(10322.3,3767.45)
  BottomLayer w15: C11.1@4762.25,5057.39 4829.74,5057.39 ; C11.1@4767.25,5057.39 4829.74,5057.39 ; C11.1@4768.5,5044.96 4829.74,5057.39 ; C11.1@4768.5,5069.83 4829.74,5057.39 ; C13.1@4886.83,5552.93 4889.38,5550.37 4937.89,5550.37 ; C13.1@4891.83,5552.93 4937.89,5550.37 ; C13.1@4892.83,5540.47 4937.89,5550.37 ; C13.1@4894.2,5565.2 4937.89,5550.37 ; U4.21@5653.3,5343.83 5564.42,5343.83 5438.44,5469.82 5131.55,5469.82 ; C14.1@5891.24,5394.87 C14.1@5900.75,5404.38 ; 4829.74,5057.39 4864.21,5091.86 U4.52@5011.57,5091.86 5106.22,5091.86 5131.55,5117.2 5131.55,5469.82 ; 4937.89,5550.37 4948.9,5539.37 4948.9,5484.29 4963.38,5469.82 U4.64@5011.57,5469.82 5131.55,5469.82
  BottomLayer w20: v2(2752.49,4771.25) Q18.3@2705.3,4771.24 v2(2752.49,4771.25) ; v2(3887.69,4771.25) Q19.3@3841.72,4771.24 v2(3887.69,4771.25) ; 3975.58,4956.9 v2(3975.59,4884.4) 3975.58,4987.32 4045.65,5057.39 C11.1@4762.25,5057.39 ; v2(4504.47,1746.07) 4555.59,1746.07 ; 4677.25,5057.39 C11.1@4757.25,5057.39 ; U4.21@5653.3,5343.83 5791.47,5343.83 5842.51,5394.87 C14.1@5891.24,5394.87 ; C14.1@5887.39,5395.34 5887.39,5469.57 5923.47,5505.65 5964.31,5505.65 5973.93,5515.27 ; R21.2@5973.93,5559.54 5973.93,5515.27 ; R21.2@5973.93,5564.54 5973.93,5515.27 ; D10.1@7095.67,1746.06 7148.82,1746.06 ; D10.1@7100.43,1724.07 7148.82,1746.06 ; D10.1@7100.43,1768.05 7148.82,1746.06 ; 7196.37,1142.7 7196.37,1698.52 7148.82,1746.06 ; D9.1@9825.98,1746.06 9896.56,1746.06 ; D9.1@9829.57,1723.85 9896.56,1746.06 ; D9.1@9829.57,1768.28 9896.56,1746.06 ; 9906.3,1142.7 9906.3,1736.32 9896.56,1746.06 ; Q17.3@1598.53,4771.24 v2(1654.65,4771.25) Q17.3@1598.53,4771.24 ; v2@6895.3,4729.32 6895.3,4770.25 v2(6896.96,4727.66) Q20.3@6895.3,4771.24 v2@6895.3,4729.32 ; v2@8046.19,4729.32 8046.19,4770.25 v2(8047.85,4727.66) Q21.3@8046.19,4771.24 v2@8046.19,4729.32 ; v2@9155.55,4729.32 9155.55,4770.25 v2(9157.21,4727.66) Q22.3@9155.55,4771.24 v2@9155.55,4729.32
  BottomLayer w30: JTAG1.4@4425.13,6123.92 4425.13,6049.12 ; JTAG1.4@4425.13,6131.85 4425.13,6049.12 ; JTAG1.7@4607.64,6242.42 4668.98,6324.13 ; JTAG1.7@4644.37,6224.97 4668.98,6324.13 ; v2@4886.83,5586.14 C13.1@4886.83,5552.93 v2(4887,5586.14) ; 4887.96,6246.86 v2(4887.01,6144.33) ; 4995.87,6129.45 v2(4887.01,6144.33) ; 4998.99,6129.45 v2(4886.69,6110.01) ; ISP1.2@5135.23,6129.45 4889.61,6129.45 ; U1_X1.2@7501.55,387.31 7501.55,344.14 ; C1_X1.2@7511.9,271 7512.31,228.29 ; C1_X1.2@7511.9,276 7511.9,333.8 ; C1_X1.2@7511.9,281 7511.9,333.8 ; C1_X1.2@7512.31,280.53 7512.31,228.29 ; 7961.67,1141.81 7961.67,974.96 8060.69,875.94 8060.69,720.62 ; OP3_X1.1@8122.93,385.9 8060.8,385.9 OP3_X1.1@8147.93,385.9 ; OP2_X1.1@8122.93,639.81 8062.08,639.81 OP2_X1.1@8147.93,639.81 ; R3_X1.1@8248.37,785.98 8248.37,723.2 8245.79,720.62 8060.69,720.62 ; U1_X2.2@9426.52,356.7 9426.52,318.39 ; U1_X2.2@9426.52,371.7 9426.52,318.39 ; C1_X2.2@9442.85,251.09 9442.85,199.61 ; C1_X2.2@9442.85,261.09 9442.85,302.06 ; 9906.3,1142.45 9906.3,1021.36 10017.82,909.84 10017.82,226.82 9962.07,171.07 9471.39,171.07 9442.85,199.61 ; OP3_X2.1@10083.39,382.59 10020.96,382.59 OP3_X2.1@10108.39,382.59 ; OP2_X2.1@10083.39,619.91 10019.21,619.91 OP2_X2.1@10108.39,619.91 10108.39,707.69 10128.63,727.94 10221.33,727.94 10229.69,736.3 R3_X2.1@10229.69,798.33 ; 4425.13,6049.12 4472.05,6002.2 4832.87,6002.2 v2(4887.96,6057.29) ; JTAG1.7@4625.13,6231.85 4625.13,6280.28 ; JTAG1.7@4625.13,6231.85 4668.98,6324.13 ; JTAG1.7@4625.13,6231.85 4625.13,6280.28 ; 4625.13,6280.28 4645.1,6236.16 4625.13,6280.28 ; 4625.13,6280.28 4605.16,6236.16 4625.13,6280.28 ; 4625.13,6280.28 4668.98,6324.13 ; 4668.98,6324.13 4824.43,6324.13 4887.96,6260.59 4887.96,6127.8 ; v2(4886.69,6110.01) v2(4887.01,6144.33) ; v2(4886.69,6110.01) v2(4887.01,6144.33) ; v2(4886.69,6110.01) v2(4887.01,6144.33) ; v2(4886.69,6110.01) v2(4887.01,6144.33) ; v2(4886.69,6110.01) v2(4887.01,6144.33) ; v2(4886.69,6110.01) v2(4887.01,6144.33) ; v2(4886.69,6110.01) 4889.61,6129.45 ; v2(4886.69,6110.01) 4887.96,6127.8 ; v2(4886.69,6110.01) 4887.96,6212.56 v2(4887.01,6144.33) ; v2(4886.69,6110.01) v2(4887.96,6057.29) ; v2(4886.69,6110.01) 4887.96,6127.8 ; v2(4886.69,6110.01) 4887.96,6127.8 ; v2(4886.69,6110.01) 4889.61,6129.45 ; v2(4887.01,6144.33) 4889.61,6129.45 ; v2(4887.01,6144.33) 4889.61,6129.45 ; v2(4887.01,6144.33) 4887.96,6127.8 ; v2(4887.01,6144.33) 4887.96,6127.8 ; v2(4887.01,6144.33) 4887.96,6127.8 ; v2(4887.01,6144.33) 4889.61,6129.45 ; v2(4887.01,6144.33) 4887.96,6127.8 ; v2(4887.01,6144.33) v2(4887.96,6057.29) ; v2(4887.01,6144.33) 4887.96,6127.8 ; v2(4887.01,6144.33) 4887.96,6127.8 ; v2(4887.01,6144.33) 4889.61,6129.45 ; v2(4887.96,6057.29) 4887.96,6127.8 ; 4887.96,6127.8 4889.61,6129.45 ; 7501.55,344.14 U1_X1.2@7501.55,372.31 ; 7501.55,344.14 U1_X1.2@7501.55,372.31 ; 7501.55,344.14 7511.9,333.8 ; U1_X1.2@7501.55,372.31 7511.9,333.8 ; 7512.31,228.29 7524.79,215.81 8010.22,215.81 8060.69,266.28 8060.69,720.62 ; 9426.52,318.39 9442.85,302.06 ; 9442.85,199.61 C1_X2.2@9442.85,256.09 9442.85,302.06
  BottomLayer w40: Pw1.4@3019.59,758.11 3098.99,758.11 ; Pw1.4@3047.74,758.11 3098.99,758.11 ; L1.2@3939.42,822.46 3978.12,962.29 ; L1.2@3978.12,816.92 L1.2@3978.12,817.21 3978.12,962.29 ; L1.2@4016.82,822.46 3978.12,962.29 ; 3098.99,758.11 3110.35,769.47 3110.35,948.56 3150.61,988.82 3951.58,988.82 3978.12,962.29 ; R21.2@5973.93,5564.54 v2(6021.44,5565.15) v2(6054.47,5564.54) R21.2@5973.93,5564.54
  BottomLayer w50: L1.2@3978.12,816.92 C7.1@4557.57,816.92 ; L1.2@4066.7,817.21 C8.1@4275.76,816.92 ; L1.2@4069.43,783.26 C8.1@4275.76,816.92 ; L1.2@4069.52,851.14 C8.1@4275.76,816.92 ; L1.2@4077.47,816.92 C8.1@4248.45,824.69 ; L1.2@4077.97,817.19 C8.1@4248.45,824.69 ; L1.2@4079.78,849.44 C8.1@4248.45,824.69 ; L1.2@4080.97,785.14 C8.1@4248.45,824.69 ; C8.1@4258.45,824.69 4429.45,816.92 ; 4370.25,816.92 C7.1@4560.12,823.42 4749.49,823.47 ; C7.1@4552.24,823.47 4866.79,823.47 ; v5(4555.67,2891.25) 4557.56,2726.14 ; 4557.57,1052.79 v2(4540.42,882.23) ; 4557.57,1057.03 v2(4582.35,880.32) ; 4557.56,1142.45 9906.3,1142.45 ; 4557.56,1144.39 v5@4557.56,2891.25 ; 4557.96,1042.79 v2(4582.35,880.32) ; 4702.43,1139.91 4702.43,1141.85 4557.57,1141.85 C7.1@4557.57,816.92 ; D13.1@4868.26,741.12 4868.26,822 ; 9906.3,1142.7 9908.36,1144.75 10218.61,1144.75 10323.55,1249.7 10323.55,3280.7 10321.55,3278.7 ; BZ1.1@10202.55,3278.7 10321.55,3278.7 ; 10321.55,3498.69 v5(10322.31,3663.71) ; 10321.55,3599.93 v4(10322.3,3767.45) v5(10322.31,3663.71) ; v2(4540.42,882.23) C7.1@4560.12,882.47 ; v2(4540.42,882.23) v2(4582.35,880.32) ; v2(4540.42,882.23) 4557.57,1071.86 C7.1@4560.12,882.47 ; v2(4540.42,882.23) C7.1@4560.12,882.47 ; v2(4540.42,882.23) C7.1@4557.57,816.92 ; C7.1@4557.57,816.92 v2(4582.35,880.32) ; C7.1@4560.12,882.47 v2(4582.35,880.32) ; 10321.55,3278.7 10321.55,3767.45 v5(10322.31,3663.71)
  other v2: 4539.78,768.5 4580.45,771.04
pads on no net: ISP1.3 JTAG1.6 JTAG1.8 P1.2 S1.0 S2.0 S3.0 S4.0 S5.0 S6.0 S7.0 S8.0 S9.0 U4.1 U4.25

## Polygon pours and split planes (outlines as drawn)
GND on TopLayer "GND" (solid, remove dead copper, pour order 4): 85.31,4017.69 85.31,5722.82 cw(c185.31,5722.82) 185.31,5822.82 405.74,5822.82 ccw(c405.74,5902.93) 485.86,5902.93 485.86,6153.94 485.86,6203.47 cw(c585.86,6203.47) 585.86,6303.47 688.8,6303.47 5592.98,6303.47 cw(c5592.98,6203.47) 5692.98,6203.47 5692.98,6020.43 5692.98,5997.59 ccw(c5792.98,5997.59) 5792.98,5897.59 6013.42,5897.59 6180.45,5897.59 ccw(c6180.45,5997.59) 6280.45,5997.59 6280.45,6185.99 6280.45,6208.82 cw(c6380.45,6208.82) 6380.45,6308.82 6467.37,6308.82 10180.58,6308.82 cw(c10180.58,6208.82) 10280.58,6208.82 10280.58,6020.43 10280.58,5885.44 ccw(c10380.58,5885.44) 10380.58,5785.44 10563.64,5785.44 cw(c10563.64,5689.31) 10659.77,5689.31 10659.77,5497.05 10659.77,651.63 cw(c10559.77,651.63) 10559.77,551.63 10446.13,551.63 10353.88,551.63 ccw(c10353.88,451.63) 10253.88,451.63 10253.88,236.52 10253.88,149.6 cw(c10153.88,149.6) 10153.88,49.6 10141.73,49.6 6455.22,49.6 cw(c6455.22,149.6) 6355.22,149.6 6355.22,455.49 6355.22,521.05 ccw(c6255.22,521.05) 6255.22,621.05 6040.12,621.05 5771.62,621.05 ccw(c5771.62,521.05) 5671.62,521.05 5671.62,279.25 5671.62,170.96 cw(c5571.62,170.96) 5571.62,70.96 5089.49,70.96 698.01,70.96 cw(c698.01,170.96) 598.01,170.96 598.01,498.21 598.01,531.73 ccw(c498.01,531.73) 498.01,631.73 218.83,631.73 179.97,631.73 cw(c179.97,731.73) 79.97,731.73 79.97,4023.03
GND on BottomLayer "GND" (solid, remove dead copper, pour order 3): 85.31,4017.69 85.31,5722.82 cw(c185.31,5722.82) 185.31,5822.82 405.74,5822.82 ccw(c405.74,5902.93) 485.86,5902.93 485.86,6153.94 485.86,6203.47 cw(c585.86,6203.47) 585.86,6303.47 688.8,6303.47 5592.98,6303.47 cw(c5592.98,6203.47) 5692.98,6203.47 5692.98,6020.43 5692.98,5997.59 ccw(c5792.98,5997.59) 5792.98,5897.59 6013.42,5897.59 6180.45,5897.59 ccw(c6180.45,5997.59) 6280.45,5997.59 6280.45,6185.99 6280.45,6208.82 cw(c6380.45,6208.82) 6380.45,6308.82 6467.37,6308.82 10180.58,6308.82 cw(c10180.58,6208.82) 10280.58,6208.82 10280.58,6020.43 10280.58,5885.44 ccw(c10380.58,5885.44) 10380.58,5785.44 10563.64,5785.44 cw(c10563.64,5689.31) 10659.77,5689.31 10659.77,5497.05 10659.77,651.63 cw(c10559.77,651.63) 10559.77,551.63 10446.13,551.63 10353.88,551.63 ccw(c10353.88,451.63) 10253.88,451.63 10253.88,236.52 10253.88,149.6 cw(c10153.88,149.6) 10153.88,49.6 10141.73,49.6 6455.22,49.6 cw(c6455.22,149.6) 6355.22,149.6 6355.22,455.49 6355.22,521.05 ccw(c6255.22,521.05) 6255.22,621.05 6040.12,621.05 5771.62,621.05 ccw(c5771.62,521.05) 5671.62,521.05 5671.62,279.25 5671.62,170.96 cw(c5571.62,170.96) 5571.62,70.96 5089.49,70.96 698.01,70.96 cw(c698.01,170.96) 598.01,170.96 598.01,498.21 598.01,531.73 ccw(c498.01,531.73) 498.01,631.73 218.83,631.73 179.97,631.73 cw(c179.97,731.73) 79.97,731.73 79.97,4023.03

## Keep-outs
KeepOutLayer:
  circle w10: c203.94,6190.55 r176.31
  circle w10: c203.94,190.55 r176.31
  circle w10: c6000.79,268.5 r176.31
  circle w10: c10597.64,190.55 r176.31
  circle w10: c10597.64,6190.55 r176.31
  circle w10: c6000.79,6190.55 r176.31
  pour cut-out: 6345.87,66.96 6345.87,1001.7 cw(c6445.87,1001.7) 6445.87,1101.7 7893.45,1101.7 cw(c7893.45,1001.7) 7993.45,1001.7 7993.45,308.61 cw(c7918.69,308.61) 7918.69,233.85 7787.71,233.85 cw(c7787.71,333.85) 7687.71,333.85 7687.71,507.56 ccw(c7612.94,507.56) 7612.94,582.33 7524.82,582.33 ccw(c7524.82,508.89) 7451.38,508.89 7451.82,148.35 cw(c7351.82,148.35) 7351.82,48.35 7100.04,43.77 6854.12,45.24 6350.5,45.24
  pour cut-out: 8388.82,78.49 8387.55,511.81 8383.67,986.25 cw(c8483.67,986.25) 8483.67,1086.25 9882,1088.18 cw(c9882,988.18) 9982,988.18 9982,295.08 cw(c9907.24,295.08) 9907.24,220.32 9776.26,220.32 cw(c9776.26,320.32) 9676.26,320.32 9676.26,494.03 ccw(c9601.49,494.03) 9601.49,568.8 9442.63,570.46 ccw(c9442.63,497.02) 9369.19,497.02 9368,509.56 9370.67,513.57 9370.67,517.57 9370.01,486.2 9369.59,323.47 9369.92,152.35 cw(c9269.92,152.35) 9269.92,52.35 8388.5,59.12
  lines w10: 0,169.29 ccw(c160.24,160.24) 151.18,0 ; 0,6207.88 cw(c160.24,6216.93) 151.18,6377.17 ; 0,6377.17 10788.19,6377.95 10788.19,0 ; 0,6377.95 0,0 10787.4,0 ; 148.03,6377.17 149.61,6377.17 ; 5944.88,6377.17 5946.46,6377.17 ; 10541.73,6377.17 10543.31,6377.17 ; 10618.9,6377.17 cw(c10627.95,6216.93) 10788.19,6225.98 ; 10636.22,0.79 ccw(c10627.17,161.02) 10787.4,170.08

## Silkscreen, mask and mechanical layers (free items; w line width, h text height)
TopOverlay:
  drawing of 2361 lines, arcs and shapes, not listed
  text "CL_CCS_A6_01<4.1>" at 4394.7,4947.64 h270
  text "中央空调板" at 4834.35,4639.02 h270
  text "温度" at 2154.15,4140.19 h360
  text "湿度" at 8076.81,4140.19 h360
  text "D12" at 9874.21,1726.89 h60
  text "+" at 1488.39,1723.35 h60
BottomOverlay:
  text "AC12V" at 406.09,1318.38 h180 r270
  text "AC12V" at 1896.27,145.24 h180
  text "GBA" at 6422.99,63.53 h180
  text "GBA" at 8356.79,63.33 h180
  text "RS485_2" at 9735.3,62.82 h180
  text "RS485_1" at 7731.6,59.64 h180
Mechanical1:
  circle w10: c203.94,6190.55 r81.36
  circle w10: c203.94,190.55 r81.36
  circle w10: c6000.79,268.5 r81.36
  circle w10: c10597.64,190.55 r81.36
  circle w10: c10597.64,6190.55 r81.36
  circle w10: c6000.79,6190.55 r81.36
  text "PCB名称: CL_I_CAC_4.1" at 890.91,-994.54 h120
  text "尺寸：162mm*274mm" at 891.02,-1132.44 h120
  text "板材：  FR4" at 891.02,-1271.38 h120
  text "板子层数：  2" at 891.02,-1409.51 h120
  text "板子厚度：  1.6" at 891.02,-1548.67 h120
  text "阻焊颜色：  蓝色" at 890.91,-1686.92 h120
  text "铜箔厚度：  h/hoz" at 890.91,-1826.08 h120
  text "阻焊覆盖：  过孔盖油" at 890.91,-1964.9 h120
  text "字符颜色：  白色" at 891.02,-2103.04 h120
  text "焊盘喷镀：  有铅喷锡" at 891.02,-2242.09 h120
DrillDrawing:
  text ".legend" at 11169.25,-188.07 h60

## Text inside footprints (layer, text, board x,y; h text height)
BZ1: BottomOverlay "-" at 9942.56,3358.69 h60; BottomOverlay "+" at 10242.56,3358.69 h60
ISP1: TopOverlay "+" at 5114.2,6057.87 h60 r180; TopOverlay "-" at 5586.64,6065.75 h60 r180; TopOverlay "mi" at 5503.53,6285.44 h60; TopOverlay "ck" at 5409.52,6286.2 h60; TopOverlay "nc" at 5215.88,6286.2 h60; TopOverlay "mo" at 5091.73,6286.2 h60; TopOverlay "re" at 5323.05,6286.2 h60
JTAG1: TopOverlay "-" at 4302.13,6085.85 h60 r180; TopOverlay "+" at 4402.13,6085.85 h60 r180; TopOverlay "TMS" at 4483.13,6287.85 h60; TopOverlay "TCK" at 4265.13,6285.85 h60; TopOverlay "TDO" at 4375.13,6285.85 h60; TopOverlay "TDI" at 4691.13,6284.85 h60; TopOverlay "-" at 4708.13,6086.85 h60 r180; TopOverlay "+" at 4612.13,6336.85 h60 r180